# Altium PCB AltitudeDynamicsControlBoard.PcbDoc (part 2 of 3)
Units mm, origin at the board's own origin, x right, y up, seen from the top; angles counter-clockwise.
Board outline 100 x 100 mm, 4 copper layers (Top Layer, Layer 1, Layer 2, Bottom Layer), stack 1.542 mm thick; 278 components, 198 nets, 938 pads, 480 vias.
Unrouted connection lines stored in the file: 18.
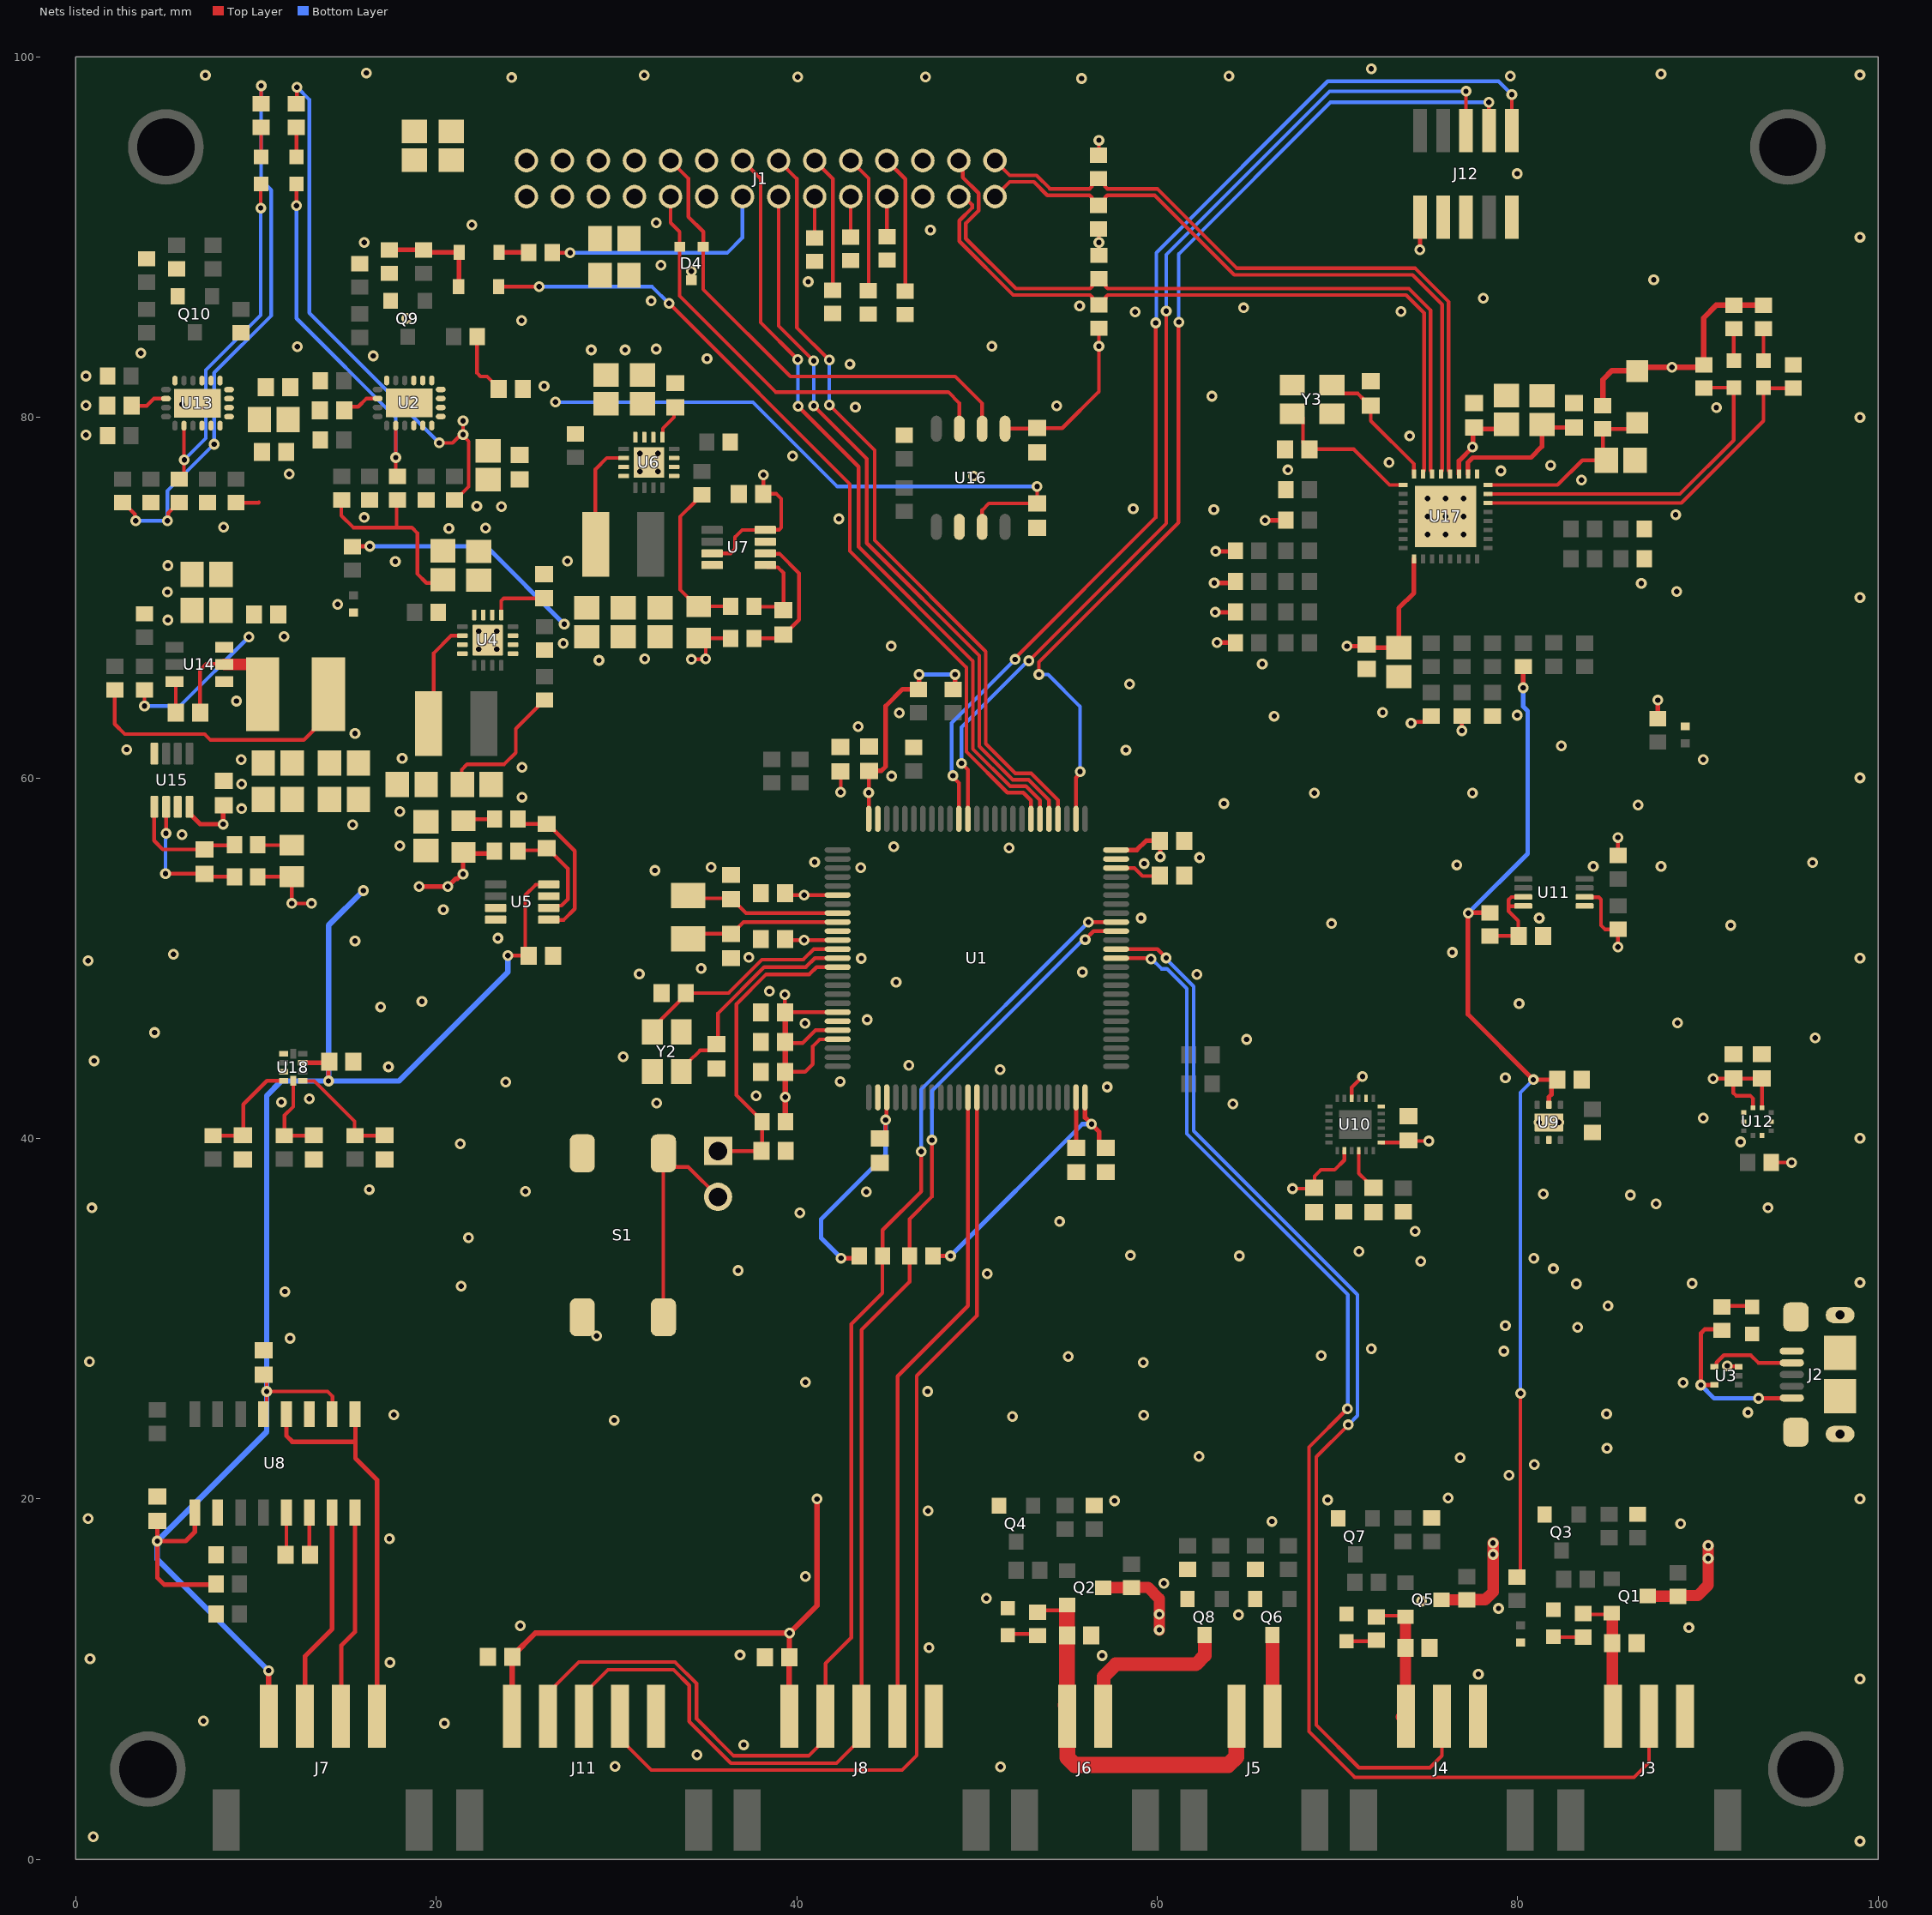
[diagram p4: the nets of this part, all layers, seen from the top]

## Part data (continued)
R39 R54: library part RC0603JR-10100KL, "RES SMD 100K OHM 5% 1/10W 0603", Device Package="0603 (1608 Metric)", Manufacturer=Yageo, Operating Temperature="-55°C ~ 155°C", Power (Watts)="0.1W, 1/10W", Supplier Device Package=0603, Supplier Part Number 1=YAG2294CT-ND, Temperature Coefficient=±100ppm/°C, Tolerance=±5%, ComponentLink1Description=Datasheet, ComponentLink1URL=https://www.yageo.com/upload/media/product/productsearch/datasheet/rchip/PYu-RC_Group_51_RoHS_L_10.pdf, ComponentLink2Description="DigiKey Link", ComponentLink2URL=http://digikey.com/product-detail/en/yageo/RC0603JR-10100KL/YAG2294CT-ND/5252408, Composition="Thick Film", Features="Moisture Resistant", Height - Seated (Max)="0.022\" (0.55mm)", LastUpdated="9/2/2020 1:10:22 AM", Lifecycle Status=Active, Minimum Order=1, Number of Terminations=2, Package / Case="0603 (1608 Metric)", Packaging=CutTape, PartId=6071, Part Number=RC0603JR-10100KL, Part Status=Active, Price=0.10, Resistance="100 kOhms", Series=RC, Size / Dimension="0.063\" L x 0.031\" W (1.60mm x 0.80mm)", Supplier 1=DigiKey
R40: library part RMCF0603FT180K, "RES 180K OHM 1% 1/10W 0603", Device Package="0603 (1608 Metric)", Manufacturer="Stackpole Electronics Inc", Operating Temperature="-55°C ~ 155°C", Power (Watts)="0.1W, 1/10W", Ratings=AEC-Q200, Supplier Device Package=0603, Supplier Part Number 1=RMCF0603FT180KCT-ND, Temperature Coefficient=±100ppm/°C, Tolerance=±1%, ComponentLink1Description=Datasheet, ComponentLink1URL=https://www.seielect.com/catalog/sei-rmcf_rmcp.pdf, ComponentLink2Description="DigiKey Link", ComponentLink2URL=http://digikey.com/product-detail/en/stackpole-electronics-inc/RMCF0603FT180K/RMCF0603FT180KCT-ND/5049744, Composition="Thick Film", Features="Automotive AEC-Q200", Height - Seated (Max)="0.022\" (0.55mm)", LastUpdated="9/2/2020 1:10:00 AM", Lifecycle Status=Active, Minimum Order=1, Number of Terminations=2, Package / Case="0603 (1608 Metric)", Packaging=CutTape, PartId=16499, Part Number=RMCF0603FT180K, Part Status=Active, Price=0.10, Resistance="180 kOhms", Series=RMCF, Size / Dimension="0.061\" L x 0.031\" W (1.55mm x 0.80mm)", Supplier 1=DigiKey
R41 R77: library part ERJ-PB3B7151V, "RES SMD 7.15K OHM 0.1% 1/5W 0603", Device Package="0603 (1608 Metric)", Manufacturer="Panasonic Electronic Components", Operating Temperature="-55°C ~ 155°C", Power (Watts)="0.2W, 1/5W", Ratings=AEC-Q200, Supplier Device Package=0603, Supplier Part Number 1=P20070CT-ND, Temperature Coefficient=±50ppm/°C, Tolerance=±0.1%, ComponentLink1Description=Datasheet, ComponentLink1URL=https://industrial.panasonic.com/cdbs/www-data/pdf/RDM0000/AOA0000C328.pdf, ComponentLink2Description="DigiKey Link", ComponentLink2URL=http://digikey.com/product-detail/en/panasonic-electronic-components/ERJ-PB3B7151V/P20070CT-ND/6214325, Composition="Thick Film", Features="Automotive AEC-Q200, Pulse Withstanding", Height - Seated (Max)="0.022\" (0.55mm)", LastUpdated="9/2/2020 1:10:22 AM", Lifecycle Status=Active, Minimum Order=1, Number of Terminations=2, Package / Case="0603 (1608 Metric)", Packaging=TapeAndReel, PartId=6380, Part Number=ERJ-PB3B7151V, Part Status=Active, Price=0.03, Resistance="7.15 kOhms", Series=ERJ, Size / Dimension="0.063\" L x 0.031\" W (1.60mm x 0.80mm)", Supplier 1=DigiKey
R42: library part RMCF0603FG47K5, "RES 47.5K OHM 1% 1/10W 0603", Device Package="0603 (1608 Metric)", Manufacturer="Stackpole Electronics Inc", Operating Temperature="-55°C ~ 155°C", Power (Watts)="0.1W, 1/10W", Ratings=AEC-Q200, Supplier Device Package=0603, Supplier Part Number 1=RMCF0603FG47K5CT-ND, Temperature Coefficient=±100ppm/°C, Tolerance=±1%, ComponentLink1Description=Datasheet, ComponentLink1URL=https://www.seielect.com/catalog/sei-packaging.pdf, ComponentLink2Description="DigiKey Link", ComponentLink2URL=http://digikey.com/product-detail/en/stackpole-electronics-inc/RMCF0603FG47K5/RMCF0603FG47K5CT-ND/4425046, Composition="Thick Film", Features="Automotive AEC-Q200", Height - Seated (Max)="0.022\" (0.55mm)", LastUpdated="9/2/2020 1:09:32 AM", Lifecycle Status=Active, Minimum Order=1, Number of Terminations=2, Package / Case="0603 (1608 Metric)", Packaging=CutTape, PartId=25458, Part Number=RMCF0603FG47K5, Part Status=Active, Price=0.10, Resistance="47.5 kOhms", Series=RMCF, Size / Dimension="0.061\" L x 0.031\" W (1.55mm x 0.80mm)", Supplier 1=DigiKey
R43: library part RMCF0603FG150K, "RES 150K OHM 1% 1/10W 0603", Device Package="0603 (1608 Metric)", Manufacturer="Stackpole Electronics Inc", Operating Temperature="-55°C ~ 155°C", Power (Watts)="0.1W, 1/10W", Ratings=AEC-Q200, Supplier Device Package=0603, Supplier Part Number 1=RMCF0603FG150KCT-ND, Temperature Coefficient=±100ppm/°C, Tolerance=±1%, ComponentLink1Description=Datasheet, ComponentLink1URL=https://www.seielect.com/catalog/sei-rmcf_rmcp.pdf, ComponentLink2Description="DigiKey Link", ComponentLink2URL=http://digikey.com/product-detail/en/stackpole-electronics-inc/RMCF0603FG150K/RMCF0603FG150KCT-ND/4425034, Composition="Thick Film", Features="Automotive AEC-Q200", Height - Seated (Max)="0.022\" (0.55mm)", LastUpdated="9/2/2020 1:10:05 AM", Lifecycle Status=Active, Minimum Order=1, Number of Terminations=2, Package / Case="0603 (1608 Metric)", Packaging=CutTape, PartId=13982, Part Number=RMCF0603FG150K, Part Status=Active, Price=0.10, Resistance="150 kOhms", Series=RMCF, Size / Dimension="0.061\" L x 0.031\" W (1.55mm x 0.80mm)", Supplier 1=DigiKey
R44: library part RMCF0603FT63K4, "RES 63.4K OHM 1% 1/10W 0603", Device Package="0603 (1608 Metric)", Manufacturer="Stackpole Electronics Inc", Operating Temperature="-55°C ~ 155°C", Power (Watts)="0.1W, 1/10W", Ratings=AEC-Q200, Supplier Device Package=0603, Supplier Part Number 1=RMCF0603FT63K4CT-ND, Temperature Coefficient=±100ppm/°C, Tolerance=±1%, ComponentLink1Description=Datasheet, ComponentLink1URL=https://www.seielect.com/catalog/sei-rmcf_rmcp.pdf, ComponentLink2Description="DigiKey Link", ComponentLink2URL=http://digikey.com/product-detail/en/stackpole-electronics-inc/RMCF0603FT63K4/RMCF0603FT63K4CT-ND/2418113, Composition="Thick Film", Features="Automotive AEC-Q200", Height - Seated (Max)="0.022\" (0.55mm)", LastUpdated="9/2/2020 1:10:16 AM", Lifecycle Status=Active, Minimum Order=1, Number of Terminations=2, Package / Case="0603 (1608 Metric)", Packaging=CutTape, PartId=8895, Part Number=RMCF0603FT63K4, Part Status=Active, Price=0.10, Resistance="63.4 kOhms", Series=RMCF, Size / Dimension="0.061\" L x 0.031\" W (1.55mm x 0.80mm)", Supplier 1=DigiKey
R48 R82: library part ERJ-PB3B3242V, "RES SMD 32.4K OHM 0.1% 1/5W 0603", Device Package="0603 (1608 Metric)", Manufacturer="Panasonic Electronic Components", Operating Temperature="-55°C ~ 155°C", Power (Watts)="0.2W, 1/5W", Ratings=AEC-Q200, Supplier Device Package=0603, Supplier Part Number 1=P20142CT-ND, Temperature Coefficient=±50ppm/°C, Tolerance=±0.1%, ComponentLink1Description=Datasheet, ComponentLink1URL=https://industrial.panasonic.com/cdbs/www-data/pdf/RDM0000/AOA0000C328.pdf, ComponentLink2Description="DigiKey Link", ComponentLink2URL=http://digikey.com/product-detail/en/panasonic-electronic-components/ERJ-PB3B3242V/P20142CT-ND/6214397, Composition="Thick Film", Features="Automotive AEC-Q200, Pulse Withstanding", Height - Seated (Max)="0.022\" (0.55mm)", LastUpdated="9/2/2020 1:10:06 AM", Lifecycle Status=Active, Minimum Order=1, Number of Terminations=2, Package / Case="0603 (1608 Metric)", Packaging=TapeAndReel, PartId=13586, Part Number=ERJ-PB3B3242V, Part Status=Active, Price=0.03, Resistance="32.4 kOhms", Series=ERJ, Size / Dimension="0.063\" L x 0.031\" W (1.60mm x 0.80mm)", Supplier 1=DigiKey
R57 R127: library part RMCF0603ZT0R00, "RES 0 OHM JUMPER 1/10W 0603", Device Package="0603 (1608 Metric)", Manufacturer="Stackpole Electronics Inc", Operating Temperature="-55°C ~ 155°C", Power (Watts)="0.1W, 1/10W", Ratings=AEC-Q200, Supplier Device Package=0603, Supplier Part Number 1=RMCF0603ZT0R00CT-ND, Tolerance=Jumper, ComponentLink1Description=Datasheet, ComponentLink1URL=https://www.seielect.com/catalog/sei-rmcf_rmcp.pdf, ComponentLink2Description="DigiKey Link", ComponentLink2URL=http://digikey.com/product-detail/en/stackpole-electronics-inc/RMCF0603ZT0R00/RMCF0603ZT0R00CT-ND/1943218, Composition="Thick Film", Features="Automotive AEC-Q200", Height - Seated (Max)="0.022\" (0.55mm)", LastUpdated="9/2/2020 1:09:45 AM", Lifecycle Status=Active, Minimum Order=1, Number of Terminations=2, Package / Case="0603 (1608 Metric)", Packaging=CutTape, PartId=22613, Part Number=RMCF0603ZT0R00, Part Status=Active, Price=0.10, Resistance="0 Ohms", Series=RMCF, Size / Dimension="0.061\" L x 0.031\" W (1.55mm x 0.80mm)", Supplier 1=DigiKey
R61: library part RMCF0603FT200K, "RES 200K OHM 1% 1/10W 0603", Device Package="0603 (1608 Metric)", Manufacturer="Stackpole Electronics Inc", Operating Temperature="-55°C ~ 155°C", Power (Watts)="0.1W, 1/10W", Ratings=AEC-Q200, Supplier Device Package=0603, Supplier Part Number 1=RMCF0603FT200KCT-ND, Temperature Coefficient=±100ppm/°C, Tolerance=±1%, ComponentLink1Description=Datasheet, ComponentLink1URL=https://www.seielect.com/catalog/sei-rmcf_rmcp.pdf, ComponentLink2Description="DigiKey Link", ComponentLink2URL=http://digikey.com/product-detail/en/stackpole-electronics-inc/RMCF0603FT200K/RMCF0603FT200KCT-ND/1943126, Composition="Thick Film", Features="Automotive AEC-Q200", Height - Seated (Max)="0.022\" (0.55mm)", LastUpdated="9/2/2020 1:10:13 AM", Lifecycle Status=Active, Minimum Order=1, Number of Terminations=2, Package / Case="0603 (1608 Metric)", Packaging=CutTape, PartId=10646, Part Number=RMCF0603FT200K, Part Status=Active, Price=0.10, Resistance="200 kOhms", Series=RMCF, Size / Dimension="0.061\" L x 0.031\" W (1.55mm x 0.80mm)", Supplier 1=DigiKey
R66 R67 R68 R90: library part RMCF0603FT10K0, "RES 10K OHM 1% 1/10W 0603", Device Package="0603 (1608 Metric)", Manufacturer="Stackpole Electronics Inc", Operating Temperature="-55°C ~ 155°C", Power (Watts)="0.1W, 1/10W", Ratings=AEC-Q200, Supplier Device Package=0603, Supplier Part Number 1=RMCF0603FT10K0CT-ND, Temperature Coefficient=±100ppm/°C, Tolerance=±1%, ComponentLink1Description=Datasheet, ComponentLink1URL=https://www.seielect.com/catalog/sei-rmcf_rmcp.pdf, ComponentLink2Description="DigiKey Link", ComponentLink2URL=http://digikey.com/product-detail/en/stackpole-electronics-inc/RMCF0603FT10K0/RMCF0603FT10K0CT-ND/1943057, Composition="Thick Film", Features="Automotive AEC-Q200", Height - Seated (Max)="0.022\" (0.55mm)", LastUpdated="9/2/2020 1:09:31 AM", Lifecycle Status=Active, Minimum Order=1, Number of Terminations=2, Package / Case="0603 (1608 Metric)", Packaging=CutTape, PartId=25663, Part Number=RMCF0603FT10K0, Part Status=Active, Price=0.10, Resistance="10 kOhms", Series=RMCF, Size / Dimension="0.061\" L x 0.031\" W (1.55mm x 0.80mm)", Supplier 1=DigiKey
R70 R71 R72: library part TMP6131DECR, "SENSOR PTC 10KOHM 1% X1SON", Device Package="0402 (1006 Metric)", Manufacturer="Texas Instruments", Operating Temperature="-40°C ~ 125°C (TA)", Resistance Tolerance=±1%, Supplier Device Package="2-X1SON (1x.60)", Supplier Part Number 1=296-TMP6131DECRCT-ND, ComponentLink1Description=Datasheet, ComponentLink1URL=http://www.ti.com/general/docs/suppproductinfo.tsp?distId=10&gotoUrl=http%3A%2F%2Fwww.ti.com%2Flit%2Fgpn%2Ftmp61, ComponentLink2Description="DigiKey Link", ComponentLink2URL=http://digikey.com/product-detail/en/texas-instruments/TMP6131DECR/296-TMP6131DECRCT-ND/10435285, LastUpdated="9/2/2020 1:30:57 AM", Lifecycle Status=Active, Minimum Order=1, Mounting Type="Surface Mount", Package / Case="0402 (1006 Metric)", Packaging=TapeAndReel, Part Number=TMP6131DECR, Part Status=Active, Price=0.07, Resistance @ 25°C="10 kOhms", Series=Commercial, Supplier 1=DigiKey
R73: library part RMCF0603FT392K, "RES 392K OHM 1% 1/10W 0603", Device Package="0603 (1608 Metric)", Manufacturer="Stackpole Electronics Inc", Operating Temperature="-55°C ~ 155°C", Power (Watts)="0.1W, 1/10W", Ratings=AEC-Q200, Supplier Device Package=0603, Supplier Part Number 1=RMCF0603FT392KCT-ND, Temperature Coefficient=±100ppm/°C, Tolerance=±1%, ComponentLink1Description=Datasheet, ComponentLink1URL=https://www.seielect.com/catalog/sei-rmcf_rmcp.pdf, ComponentLink2Description="DigiKey Link", ComponentLink2URL=http://digikey.com/product-detail/en/stackpole-electronics-inc/RMCF0603FT392K/RMCF0603FT392KCT-ND/1943135, Composition="Thick Film", Features="Automotive AEC-Q200", Height - Seated (Max)="0.022\" (0.55mm)", LastUpdated="9/2/2020 1:10:02 AM", Lifecycle Status=Active, Minimum Order=1, Number of Terminations=2, Package / Case="0603 (1608 Metric)", Packaging=CutTape, PartId=15680, Part Number=RMCF0603FT392K, Part Status=Active, Price=0.10, Resistance="392 kOhms", Series=RMCF, Size / Dimension="0.061\" L x 0.031\" W (1.55mm x 0.80mm)", Supplier 1=DigiKey
R76: library part RMCF0603FT475K, "RES 475K OHM 1% 1/10W 0603", Device Package="0603 (1608 Metric)", Manufacturer="Stackpole Electronics Inc", Operating Temperature="-55°C ~ 155°C", Power (Watts)="0.1W, 1/10W", Ratings=AEC-Q200, Supplier Device Package=0603, Supplier Part Number 1=RMCF0603FT475KCT-ND, Temperature Coefficient=±100ppm/°C, Tolerance=±1%, ComponentLink1Description=Datasheet, ComponentLink1URL=https://www.seielect.com/catalog/sei-rmcf_rmcp.pdf, ComponentLink2Description="DigiKey Link", ComponentLink2URL=http://digikey.com/product-detail/en/stackpole-electronics-inc/RMCF0603FT475K/RMCF0603FT475KCT-ND/1943137, Composition="Thick Film", Features="Automotive AEC-Q200", Height - Seated (Max)="0.022\" (0.55mm)", LastUpdated="9/2/2020 1:10:13 AM", Lifecycle Status=Active, Minimum Order=1, Number of Terminations=2, Package / Case="0603 (1608 Metric)", Packaging=CutTape, PartId=10682, Part Number=RMCF0603FT475K, Part Status=Active, Price=0.10, Resistance="475 kOhms", Series=RMCF, Size / Dimension="0.061\" L x 0.031\" W (1.55mm x 0.80mm)", Supplier 1=DigiKey
R78: library part RMCF0603FT45K3, "RES 45.3K OHM 1% 1/10W 0603", Device Package="0603 (1608 Metric)", Manufacturer="Stackpole Electronics Inc", Operating Temperature="-55°C ~ 155°C", Power (Watts)="0.1W, 1/10W", Ratings=AEC-Q200, Supplier Device Package=0603, Supplier Part Number 1=RMCF0603FT45K3CT-ND, Temperature Coefficient=±100ppm/°C, Tolerance=±1%, ComponentLink1Description=Datasheet, ComponentLink1URL=https://www.seielect.com/catalog/sei-rmcf_rmcp.pdf, ComponentLink2Description="DigiKey Link", ComponentLink2URL=http://digikey.com/product-detail/en/stackpole-electronics-inc/RMCF0603FT45K3/RMCF0603FT45K3CT-ND/4425109, Composition="Thick Film", Features="Automotive AEC-Q200", Height - Seated (Max)="0.022\" (0.55mm)", LastUpdated="9/2/2020 1:10:13 AM", Lifecycle Status=Active, Minimum Order=1, Number of Terminations=2, Package / Case="0603 (1608 Metric)", Packaging=CutTape, PartId=10832, Part Number=RMCF0603FT45K3, Part Status=Active, Price=0.10, Resistance="45.3 kOhms", Series=RMCF, Size / Dimension="0.061\" L x 0.031\" W (1.55mm x 0.80mm)", Supplier 1=DigiKey
R79: library part RMCF0603FT82K5, "RES 82.5K OHM 1% 1/10W 0603", Device Package="0603 (1608 Metric)", Manufacturer="Stackpole Electronics Inc", Operating Temperature="-55°C ~ 155°C", Power (Watts)="0.1W, 1/10W", Ratings=AEC-Q200, Supplier Device Package=0603, Supplier Part Number 1=RMCF0603FT82K5CT-ND, Temperature Coefficient=±100ppm/°C, Tolerance=±1%, ComponentLink1Description=Datasheet, ComponentLink1URL=https://www.seielect.com/catalog/sei-rmcf_rmcp.pdf, ComponentLink2Description="DigiKey Link", ComponentLink2URL=http://digikey.com/product-detail/en/stackpole-electronics-inc/RMCF0603FT82K5/RMCF0603FT82K5CT-ND/1943114, Composition="Thick Film", Features="Automotive AEC-Q200", Height - Seated (Max)="0.022\" (0.55mm)", LastUpdated="9/2/2020 1:10:21 AM", Lifecycle Status=Active, Minimum Order=1, Number of Terminations=2, Package / Case="0603 (1608 Metric)", Packaging=CutTape, PartId=6620, Part Number=RMCF0603FT82K5, Part Status=Active, Price=0.10, Resistance="82.5 kOhms", Series=RMCF, Size / Dimension="0.061\" L x 0.031\" W (1.55mm x 0.80mm)", Supplier 1=DigiKey
R80: library part RMCF0603FT57K6, "RES 57.6K OHM 1% 1/10W 0603", Device Package="0603 (1608 Metric)", Manufacturer="Stackpole Electronics Inc", Operating Temperature="-55°C ~ 155°C", Power (Watts)="0.1W, 1/10W", Ratings=AEC-Q200, Supplier Device Package=0603, Supplier Part Number 1=RMCF0603FT57K6CT-ND, Temperature Coefficient=±100ppm/°C, Tolerance=±1%, ComponentLink1Description=Datasheet, ComponentLink1URL=https://www.seielect.com/catalog/sei-packaging.pdf, ComponentLink2Description="DigiKey Link", ComponentLink2URL=http://digikey.com/product-detail/en/stackpole-electronics-inc/RMCF0603FT57K6/RMCF0603FT57K6CT-ND/4376682, Composition="Thick Film", Features="Automotive AEC-Q200", Height - Seated (Max)="0.022\" (0.55mm)", LastUpdated="9/2/2020 1:10:00 AM", Lifecycle Status=Active, Minimum Order=1, Number of Terminations=2, Package / Case="0603 (1608 Metric)", Packaging=CutTape, PartId=16337, Part Number=RMCF0603FT57K6, Part Status=Active, Price=0.10, Resistance="57.6 kOhms", Series=RMCF, Size / Dimension="0.061\" L x 0.031\" W (1.55mm x 0.80mm)", Supplier 1=DigiKey
R85: library part ERJ-6CWDR020V, "0805 CURRENT SENSING RES. 0.5%,", Device Package="0805 (2012 Metric)", Manufacturer="Panasonic Electronic Components", Operating Temperature="-55°C ~ 125°C", Power (Watts)="0.5W, 1/2W", Ratings=AEC-Q200, Supplier Device Package=0805, Supplier Part Number 1=P124408CT-ND, Temperature Coefficient=±75ppm/°C, Tolerance=±0.5%, ComponentLink1Description=Datasheet, ComponentLink1URL=https://industrial.panasonic.com/cdbs/www-data/pdf/RDN0000/AOA0000C313.pdf, ComponentLink2Description="DigiKey Link", ComponentLink2URL=http://digikey.com/product-detail/en/panasonic-electronic-components/ERJ-6CWDR020V/P124408CT-ND/10261713, Composition="Thick Film", Features="Automotive AEC-Q200, Current Sense", Height - Seated (Max)="0.030\" (0.75mm)", LastUpdated="9/2/2020 1:14:37 AM", Lifecycle Status=Active, Minimum Order=1, Number of Terminations=2, Package / Case="0805 (2012 Metric)", Packaging=TapeAndReel, PartId=47494, Part Number=ERJ-6CWDR020V, Part Status=Active, Price=0.14, Resistance="20 mOhms", Series=ERJ, Size / Dimension="0.081\" L x 0.051\" W (2.05mm x 1.30mm)", Supplier 1=DigiKey
R87: library part RMCF0603FT69K8, "RES 69.8K OHM 1% 1/10W 0603", Device Package="0603 (1608 Metric)", Manufacturer="Stackpole Electronics Inc", Operating Temperature="-55°C ~ 155°C", Power (Watts)="0.1W, 1/10W", Ratings=AEC-Q200, Supplier Device Package=0603, Supplier Part Number 1=RMCF0603FT69K8CT-ND, Temperature Coefficient=±100ppm/°C, Tolerance=±1%, ComponentLink1Description=Datasheet, ComponentLink1URL=https://www.seielect.com/catalog/sei-rmcf_rmcp.pdf, ComponentLink2Description="DigiKey Link", ComponentLink2URL=http://digikey.com/product-detail/en/stackpole-electronics-inc/RMCF0603FT69K8/RMCF0603FT69K8CT-ND/2418123, Composition="Thick Film", Features="Automotive AEC-Q200", Height - Seated (Max)="0.022\" (0.55mm)", LastUpdated="9/2/2020 1:10:00 AM", Lifecycle Status=Active, Minimum Order=1, Number of Terminations=2, Package / Case="0603 (1608 Metric)", Packaging=CutTape, PartId=16385, Part Number=RMCF0603FT69K8, Part Status=Active, Price=0.10, Resistance="69.8 kOhms", Series=RMCF, Size / Dimension="0.061\" L x 0.031\" W (1.55mm x 0.80mm)", Supplier 1=DigiKey
R91: library part RMCF0603FG100R, "RES 100 OHM 1% 1/10W 0603", Device Package="0603 (1608 Metric)", Manufacturer="Stackpole Electronics Inc", Operating Temperature="-55°C ~ 155°C", Power (Watts)="0.1W, 1/10W", Ratings=AEC-Q200, Supplier Device Package=0603, Supplier Part Number 1=RMCF0603FG100RCT-ND, Temperature Coefficient=±100ppm/°C, Tolerance=±1%, ComponentLink1Description=Datasheet, ComponentLink1URL=https://www.seielect.com/catalog/sei-rmcf_rmcp.pdf, ComponentLink2Description="DigiKey Link", ComponentLink2URL=http://digikey.com/product-detail/en/stackpole-electronics-inc/RMCF0603FG100R/RMCF0603FG100RCT-ND/4425033, Composition="Thick Film", Features="Automotive AEC-Q200", Height - Seated (Max)="0.022\" (0.55mm)", LastUpdated="9/2/2020 1:09:39 AM", Lifecycle Status=Active, Minimum Order=1, Number of Terminations=2, Package / Case="0603 (1608 Metric)", Packaging=CutTape, PartId=24036, Part Number=RMCF0603FG100R, Part Status=Active, Price=0.10, Resistance="100 Ohms", Series=RMCF, Size / Dimension="0.061\" L x 0.031\" W (1.55mm x 0.80mm)", Supplier 1=DigiKey
R96 R97: library part RMCF0603JT240R, "RES 240 OHM 5% 1/10W 0603", Device Package="0603 (1608 Metric)", Manufacturer="Stackpole Electronics Inc", Operating Temperature="-55°C ~ 155°C", Power (Watts)="0.1W, 1/10W", Ratings=AEC-Q200, Supplier Device Package=0603, Supplier Part Number 1=RMCF0603JT240RCT-ND, Temperature Coefficient=±200ppm/°C, Tolerance=±5%, ComponentLink1Description=Datasheet, ComponentLink1URL=https://www.seielect.com/catalog/sei-rmcf_rmcp.pdf, ComponentLink2Description="DigiKey Link", ComponentLink2URL=http://digikey.com/product-detail/en/stackpole-electronics-inc/RMCF0603JT240R/RMCF0603JT240RCT-ND/2418189, Composition="Thick Film", Features="Automotive AEC-Q200", Height - Seated (Max)="0.022\" (0.55mm)", LastUpdated="9/2/2020 1:10:22 AM", Lifecycle Status=Active, Minimum Order=1, Number of Terminations=2, Package / Case="0603 (1608 Metric)", Packaging=CutTape, PartId=5995, Part Number=RMCF0603JT240R, Part Status=Active, Price=0.10, Resistance="240 Ohms", Series=RMCF, Size / Dimension="0.061\" L x 0.031\" W (1.55mm x 0.80mm)", Supplier 1=DigiKey
R98 R99 R100 R101 R102 R103 R104 R105 R106 R107 R108 R111 R112 R114 R115: library part RMCF0603FT22R0, "RES 22 OHM 1% 1/10W 0603", Device Package="0603 (1608 Metric)", Manufacturer="Stackpole Electronics Inc", Operating Temperature="-55°C ~ 155°C", Power (Watts)="0.1W, 1/10W", Ratings=AEC-Q200, Supplier Device Package=0603, Supplier Part Number 1=RMCF0603FT22R0CT-ND, Temperature Coefficient=±100ppm/°C, Tolerance=±1%, ComponentLink1Description=Datasheet, ComponentLink1URL=https://www.seielect.com/catalog/sei-packaging.pdf, ComponentLink2Description="DigiKey Link", ComponentLink2URL=http://digikey.com/product-detail/en/stackpole-electronics-inc/RMCF0603FT22R0/RMCF0603FT22R0CT-ND/1942946, Composition="Thick Film", Features="Automotive AEC-Q200", Height - Seated (Max)="0.022\" (0.55mm)", LastUpdated="9/2/2020 1:10:13 AM", Lifecycle Status=Active, Minimum Order=1, Number of Terminations=2, Package / Case="0603 (1608 Metric)", Packaging=CutTape, PartId=10611, Part Number=RMCF0603FT22R0, Part Status=Active, Price=0.10, Resistance="22 Ohms", Series=RMCF, Size / Dimension="0.061\" L x 0.031\" W (1.55mm x 0.80mm)", Supplier 1=DigiKey
R109: library part RNCP0603FTD6K49, "RES 6.49K OHM 1% 1/8W 0603", Device Package="0603 (1608 Metric)", Manufacturer="Stackpole Electronics Inc", Operating Temperature="-55°C ~ 155°C", Power (Watts)="0.125W, 1/8W", Supplier Device Package=0603, Supplier Part Number 1=RNCP0603FTD6K49CT-ND, Temperature Coefficient=±100ppm/°C, Tolerance=±1%, ComponentLink1Description=Datasheet, ComponentLink1URL=https://www.seielect.com/catalog/sei-rncp.pdf, ComponentLink2Description="DigiKey Link", ComponentLink2URL=http://digikey.com/product-detail/en/stackpole-electronics-inc/RNCP0603FTD6K49/RNCP0603FTD6K49CT-ND/2240472, Composition="Thin Film", Features="Anti-Sulfur, Moisture Resistant", Height - Seated (Max)="0.020\" (0.50mm)", LastUpdated="9/2/2020 1:09:47 AM", Lifecycle Status=Active, Minimum Order=1, Number of Terminations=2, Package / Case="0603 (1608 Metric)", Packaging=TapeAndReel, PartId=22308, Part Number=RNCP0603FTD6K49, Part Status=Active, Price=0.01, Resistance="6.49 kOhms", Series=RNCP, Size / Dimension="0.059\" L x 0.031\" W (1.50mm x 0.80mm)", Supplier 1=DigiKey
R132 R133 R134: library part RMCF0603FT680R, "RES 680 OHM 1% 1/10W 0603", Device Package="0603 (1608 Metric)", Manufacturer="Stackpole Electronics Inc", Operating Temperature="-55°C ~ 155°C", Power (Watts)="0.1W, 1/10W", Ratings=AEC-Q200, Supplier Device Package=0603, Supplier Part Number 1=RMCF0603FT680RCT-ND, Temperature Coefficient=±100ppm/°C, Tolerance=±1%, ComponentLink1Description=Datasheet, ComponentLink1URL=https://www.seielect.com/catalog/sei-packaging.pdf, ComponentLink2Description="DigiKey Link", ComponentLink2URL=http://digikey.com/product-detail/en/stackpole-electronics-inc/RMCF0603FT680R/RMCF0603FT680RCT-ND/6053170, Composition="Thick Film", Features="Automotive AEC-Q200", Height - Seated (Max)="0.022\" (0.55mm)", LastUpdated="9/2/2020 1:10:13 AM", Lifecycle Status=Active, Minimum Order=1, Number of Terminations=2, Package / Case="0603 (1608 Metric)", Packaging=CutTape, PartId=10671, Part Number=RMCF0603FT680R, Part Status=Active, Price=0.10, Resistance="680 Ohms", Series=RMCF, Size / Dimension="0.061\" L x 0.031\" W (1.55mm x 0.80mm)", Supplier 1=DigiKey
S1: "SWITCH TACTILE SPST-NO 0.05A 24V", Contact Rating @ Voltage="0.05A @ 24VDC", Manufacturer="TE Connectivity ALCOSWITCH Switches", Operating Force=260gf, Operating Temperature="-40°C ~ 105°C", Supplier Part Number 1=450-2138-1-ND, Actuator Height off PCB, Vertical=7.00mm, Actuator Orientation="Top Actuated", Actuator Type=Standard, Circuit=SPST-NO, ComponentLink1Description=Datasheet, ComponentLink1URL=https://www.te.com/commerce/DocumentDelivery/DDEController?Action=srchrtrv&DocNm=1308111-1_SWITCHES_CORE_PROGRAM_CATALOG&DocType=CS&DocLang=English, ComponentLink2Description="DigiKey Link", ComponentLink2URL=http://digikey.com/product-detail/en/te-connectivity-alcoswitch-switches/FSM6JSMAASTR/450-2138-1-ND/5343818, Illumination=Non-Illuminated, LastUpdated="9/2/2020 1:27:08 AM", Lifecycle Status=Active, Minimum Order=1, Mounting Type="Surface Mount", Outline="6.00mm x 6.00mm", Packaging=TapeAndReel, Part Number=FSM6JSMAASTR, Part Status=Active, Price=0.37, Series=FSMJSMA, Supplier 1=DigiKey, Switch Function=Off-Mom, Termination Style="Gull Wing"
U1: Supplier Part Number 1=497-19657-1-ND, Supplier 1=Digi-Key
U2 U13: Supplier Part Number 1=296-40735-1-ND, Supplier 1=Digi-Key
U3: library part CMP-0326-00052-4, "TVS DIODE 5.5V SOT5", Breakdown Voltage=11V, Capacitance=1.5pF, Case/Package=SOT-553, Clamping Voltage=105.5V, Leakage Current=1nA, Max Operating Temperature=85°C, Max Supply Current=100nA, Max Supply Voltage=5.5V, Min Operating Temperature=-40°C, Min Supply Voltage=900mV, Package Quantity=1, Peak Pulse Power=90W, Power Line Protection=Yes, Depth=1.2mm, Direction=Unidirectional, Height=0.55mm, Interface=USB, Lead Free="Lead Free", Length=1.6mm, Max Supply Voltage (DC)=5.5V, Min Breakdown Voltage=11V, Min Supply Voltage (DC)=900mV, Nominal Supply Current=1nA, Number of Bidirectional Channels=3, Number of Channels=3, Number of Pins=5, Packaging="Tape and Reel", Radiation Hardening=No, REACH SVHC="No SVHC", Reverse Standoff Voltage=5.5V, RoHS Compliant=Yes, Termination=SMD/SMT, Weight=9.9E-05oz, Width=1.2mm
U4: library part CMP-0323-00129-3, "Buck Step Down Regulator with 3 to 17 V Input and 3.3 V Output, -40 to 85 degC, 16-Pin QFN (RGT), Green (RoHS & no Sb/Br)", Manufacturer="Texas Instruments", Rating=Catalog, Switch Current Limit(Typ)(A)=1.7, Code_JEDEC=MO-220, ComponentLink1Description=Datasheet, ComponentLink1URL=http://www.ti.com/general/docs/lit/getliterature.tsp?genericPartNumber=TPS62152&fileType=pdf, ComponentLink2Description="Package Specification", ComponentLink2URL=http://www.ti.com/litv/pdf/mpqf119g, ComponentLink3Description="URL Link1", ComponentLink3URL="Samples URL:http://www.ti.com/product/tps54611#samples", DatasheetVersion=SLVSAL5, Duty Cycle(Max)(%)=100, Eco-Plan="Green (RoHS & no Sb/Br)", Iout(Max)(A)=1, Iq(Typ)(mA)=0.017, Mounting Technology="Surface Mount", PackageDescription="16-Pin Plastic Quad Flat No-Lead, 3 x 3 mm Body, 0.5 mm Pitch, 1.7 x 1.7 mm Exposed Pad", PackageReference=RGT0016C, PackageVersion="revH, Oct-2011", PartNumber=TPS62152RGTT, Preset Vout(V)=3.3, Regulated Outputs(#)=1, SubFamily="Step-Down Regulator", Synchronous Rectification=TRUE, Topology=Buck, Vin(Max)(V)=17, Vin(Min)(V)=3, Vout(Max)(V)=3.3, Vout(Min)(V)=3.3
U5 U7 U15: library part CMP-0704-00041-2, "Zero-Drift, Bi-directional Current / Power Monitor, 3 to 5.5 V, -40 to 125 degC, 8-pin SOP (DCN8), Green (RoHS & no Sb/Br)", Manufacturer="Texas Instruments", Quiescent Current (+/-)(Typ)(mA)=0.7, Rating=Catalog, CMRR(Min)(dB)=100, Code_JEDEC=MO-178, Common Mode Range(Max)(V)=26, Common Mode Range(Min)(V)=0, ComponentLink1Description="Manufacturer URL", ComponentLink1URL=http://www.ti.com/, ComponentLink2Description=Datasheet, ComponentLink2URL=http://www.ti.com/general/docs/lit/getliterature.tsp?genericPartNumber=INA219&fileType=pdf, ComponentLink3Description="Package Specification", ComponentLink3URL=http://www.ti.com/lit/ml/mpds099c/mpds099c.pdf, DatasheetVersion=SBOS448F, Eco-Plan="Green (RoHS & no Sb/Br)", Gain(V/V)="1, 0.5, 0.25, 0.125", Input Offset (+/-)(Max)(uV)=100, Mounting Technology="Surface Mount", PackageDescription="8-Pin Plastic Small Outline, Body 1.6 x 2.9 mm, Pitch 0.65 mm", PackageReference=DCN0008A, PackageVersion="4202106/D, 11/2009", PartNumber=INA219AIDCNR, Small-Signal Bandwidth(Typ)(MHz)=0.011, SubFamily="Current Shunt Monitor", Vs(Max)(V)=5.5, Vs(Min)(V)=3
U6: library part CMP-0323-00124-3, "Buck Step Down Regulator with 3 to 17 V Input and 1.8 V Output, -40 to 85 degC, 16-Pin QFN (RGT), Green (RoHS & no Sb/Br)", Manufacturer="Texas Instruments", Rating=Catalog, Switch Current Limit(Typ)(A)=1.7, Code_JEDEC=MO-220, ComponentLink1Description=Datasheet, ComponentLink1URL=http://www.ti.com/general/docs/lit/getliterature.tsp?genericPartNumber=TPS62151&fileType=pdf, ComponentLink2Description="Package Specification", ComponentLink2URL=http://www.ti.com/litv/pdf/mpqf119g, ComponentLink3Description="URL Link1", ComponentLink3URL="Samples URL:http://www.ti.com/product/tps54611#samples", DatasheetVersion=SLVSAL5, Duty Cycle(Max)(%)=90, Eco-Plan="Green (RoHS & no Sb/Br)", Iout(Max)(A)=1, Iq(Typ)(mA)=0.017, Mounting Technology="Surface Mount", PackageDescription="16-Pin Plastic Quad Flat No-Lead, 3 x 3 mm Body, 0.5 mm Pitch, 1.7 x 1.7 mm Exposed Pad", PackageReference=RGT0016C, PackageVersion="revH, Oct-2011", PartNumber=TPS62151RGTT, Preset Vout(V)=1.8, Regulated Outputs(#)=1, SubFamily="Step-Down Regulator", Synchronous Rectification=TRUE, Topology=Buck, Vin(Max)(V)=17, Vin(Min)(V)=3, Vout(Max)(V)=1.8, Vout(Min)(V)=1.8
U8: Supplier Part Number 1=296-43578-1-ND, Supplier 1=Digi-Key
U9: library part CMP-04948-000009-1, "TEMPERATURE SENSOR", Ambient Temperature Range High=+150°C, Ambient Temperature Range Low=-55°C, Manufacturer="Texas Instruments", Max Supply Voltage=5.5V, Min Supply Voltage=1.8V, Operating Supply Current=3.5-16uA, Package=DRV0006A, Temperature="-55°C to +150°C", Automotive=No, Category=IC, ComponentLink2Description=Datasheet, ComponentLink2URL=http://www.ti.com/lit/ds/symlink/tmp117.pdf, Device Class L1=Sensors, Device Class L2="Temperature and Humidity Sensors", Device Class L3=unset, Digikey Description="TEMPERATURE SENSOR", Height=0.8mm, Interface=I2C,2-Wire,SMBus, Ipc Land Pattern Name=DFN200X200X80-6, Lead Free=Yes, Manufacturer Part Number=TMP117AIDRVR, Max Junction Temp=+150°C, Octopart=https://octopart.com/tmp117aidrvr-texas+instruments-95511044, Resolution=16bits, RoHS=TRUE, Standoff Height=0mm, Temperature Range High=+150°C, Temperature Range Low=-55°C
U10: Supplier Part Number 1=1428-1123-1-ND, Supplier 1=Digi-Key
U11: library part CMP-0314-00424-2, "Automotive Catalog Dual Bidirectional I2C Bus and SMBus Voltage-Level Translator, 0 to 5.5 V,-40 to 85 degC,8-pin US8 (DCU), Green (RoHS & no Sb/Br)", 5V Tolerant I/O=Yes, Manufacturer="Texas Instruments", Max Frequency(kHz)=400, On-Chip Power-on-Reset=No, Rating=Automotive, Code_JEDEC=MO-187-CA, ComponentLink1Description=Datasheet, ComponentLink1URL=http://www.ti.com/general/docs/lit/getliterature.tsp?genericPartNumber=PCA9306-Q1&fileType=pdf, ComponentLink2Description="Package Specification", ComponentLink2URL=http://www.ti.com/litv/pdf/mpds050d, DatasheetVersion=SCPS178, Eco-Plan="Green (RoHS & no Sb/Br)", Enable Pin=Yes, fSCLK(Max)(MHz)=400, Function="Voltage Translator", Mounting Technology="Surface Mount", No. of Outputs=2, Open Drain I/O Type=Yes, PackageDescription="8-Pin Thin Shrink Small Outline Package 0.5 mm Pitch", PackageReference=DCU0008A, PackageVersion="revF, Jul-2005", PartNumber=PCA9306IDCURQ1, SubFamily="I2C Special Function", tpd max(ns)=1.4, Vcc range(V)="0 to 5.5"
U12: Supplier Part Number 1=828-1079-1-ND, Supplier 1=Digi-Key
U14: Supplier Part Number 1=296-49006-1-ND, Supplier 1=Digi-Key
U16: Supplier Part Number 1=296-44228-1-ND, Supplier 1=Digi-Key
U17: library part CMP-06281-000005-1, "IC TRANSCEIVER FULL 1/1 32QFN", Ambient Temperature Range High=+85°C, Ambient Temperature Range Low=-40°C, Manufacturer=Microchip, Max Junction Temp=+125°C, Max Supply Voltage=3.465V, Min Supply Voltage=1.71V, Package=QFN55-32LD-PL-5, Temperature="-40°C to +85°C", Automotive=No, Category=IC, ComponentLink2Description=Datasheet, ComponentLink2URL=http://ww1.microchip.com/downloads/en/DeviceDoc/00002202C.pdf, Data Rate=100Mbits/s, Device Class L1="Integrated Circuits (ICs)", Device Class L2="Interface ICs", Device Class L3="Ethernet Interface ICs", Digikey Description="IC TRANSCEIVER FULL 1/1 32QFN", Height=1mm, Interface=Ethernet,Other, Lead Free=Yes, Manufacturer Part Number=KSZ8081MNXIA-TR, Mouser Description="Ethernet ICs 10/100 PHY,  0.11u, I-Temp", Number of Channels=1, Octopart=https://octopart.com/ksz8081mnxia-tr-microchip-66799958, RoHS=TRUE, Simplex Duplex="Full Duplex", Standoff Height=0mm, Temperature Range High=+85°C, Temperature Range Low=-40°C
U18: Supplier Part Number 1=296-48346-1-ND, Supplier 1=Digi-Key
Y1: library part ABS07-166-32.768KHZ-T, "IOT 32.786KHZ XTAL", ESR (Equivalent Series Resistance)="70 kOhms", Frequency Tolerance=±10ppm, Load Capacitance=7pF, Manufacturer="Abracon LLC", Operating Mode=Fundamental, Operating Temperature="-40°C ~ 85°C", Package / Case="2-SMD, No Lead", Supplier Part Number 1=535-14514-1-ND, ComponentLink1Description=Datasheet, ComponentLink1URL=https://abracon.com/datasheets/ABS07-166-32.768kHz-T.pdf, ComponentLink2Description="DigiKey Link", ComponentLink2URL=http://digikey.com/product-detail/en/abracon-llc/ABS07-166-32.768KHZ-T/535-14514-1-ND/8827205, Frequency=32.768kHz, Height - Seated (Max)="0.035\" (0.90mm)", LastUpdated="9/2/2020 1:21:47 AM", Lifecycle Status=Active, Minimum Order=1, Mounting Type="Surface Mount", Packaging=TapeAndReel, PartId=384, Part Number=ABS07-166-32.768KHZ-T, Part Status=Active, Price=0.35, Series=ABS07, Size / Dimension="0.126\" L x 0.059\" W (3.20mm x 1.50mm)", Supplier 1=DigiKey, Type="kHz Crystal (Tuning Fork)"
Y2 Y3: library part "TSX-3225 25.0000MF20P-C0", "CRYSTAL 25.0000MHZ 18PF SMD", ESR (Equivalent Series Resistance)="40 Ohms", Frequency Stability=±20ppm, Frequency Tolerance=±10ppm, Load Capacitance=18pF, Manufacturer=EPSON, Operating Mode=Fundamental, Operating Temperature="-20°C ~ 85°C", Package / Case="4-SMD, No Lead", Supplier Part Number 1=SER4212CT-ND, ComponentLink1Description=Datasheet, ComponentLink1URL=https://support.epson.biz/td/api/doc_check.php?dl=brief_TSX-3225&lang=en, ComponentLink2Description="DigiKey Link", ComponentLink2URL=http://digikey.com/product-detail/en/epson/TSX-3225-25.0000MF20P-C0/SER4212CT-ND/7430967, Frequency=25MHz, Height - Seated (Max)="0.024\" (0.60mm)", LastUpdated="9/2/2020 1:21:54 AM", Lifecycle Status=Active, Minimum Order=1, Mounting Type="Surface Mount", Packaging=TapeAndReel, PartId=447, Part Number="TSX-3225 25.0000MF20P-C0", Part Status=Active, Price=0.18, Series=TSX-3225, Size / Dimension="0.126\" L x 0.098\" W (3.20mm x 2.50mm)", Supplier 1=DigiKey, Type="MHz Crystal"

## Free pads (board coordinates)
  round 4.2 hole 3.2: 11(4,5) 11(5,95) 11(95,95) 11(96,5)

## Via types
v1: diameter 0.6, hole 0.3, Top Layer to Bottom Layer, 480 vias

## Nets (pads, with @x,y where several pads share a name; then routed paths per layer and width w, separated by ;. In a path a pad name is that pad's centre, name@x,y a point inside that pad or via, vN(x,y) a via of type N, cw(c..) or ccw(c..) an arc to the next point about the centre after c; other vN are vias at no path point)
6V: Q1.3 Q5.3 R1.2 R16.2 R85.2 R89.2 | length 16.2
  Top Layer w0.203: R89.2@9.906,54.61 9.994,54.522 R85.2@11.989,54.522 v1(11.989,53.035) v1(13.081,53.035)
  Top Layer w0.635: Q5.3@75.778,14.402 75.785,14.394 R16.2@77.158,14.394 ; R16.2@77.191,14.387 77.206,14.402 78.207,14.402 78.638,14.834 v1(78.638,17.551) ; Q1.3@87.233,14.605 87.24,14.598 88.893,14.598 R1.2@88.9,14.605 ; R1.2@88.9,14.59 88.94,14.63 89.992,14.63 90.576,15.215 v1(90.576,16.688) v1(90.576,17.399)
  other v1: 78.638,16.916
+1.8: C9.2 C16.2 C55.2 C56.2 C58.2 C59.2 J8.5 J11.5 R50.2 R53.2 R62.2 R63.2 R69.1 U10.8 U10.13 U10.22 U11.2 U12.1 U12.10 | length 57.4
  Top Layer w0.203: v1(34.163,66.573) 34.176,66.586 34.938,66.586 v1(34.95,66.599) 34.95,67.375 R50.2@34.583,67.742 ; R50.2@34.555,67.742 R50.2@34.569,67.756 R50.2@34.583,67.742 ; R53.2@36.332,67.742 R50.2@34.583,67.742 ; v1(67.513,37.211) 68.758,37.211 68.783,37.236 68.732,37.287 68.732,37.897 69.088,38.252 69.85,38.252 70.393,38.795 U10.8@70.393,39.317 ; U10.22@70.793,42.217 70.795,42.219 70.795,42.829 v1(71.399,43.434) ; U10.13@72.443,39.767 73.955,39.767 C55.2@73.99,39.802 ; C55.2@73.939,39.889 73.976,39.853 v1(75.082,39.853) ; U11.2@83.717,53.395 83.736,53.375 84.514,53.375 84.633,53.256 84.633,51.816 84.861,51.587 85.522,51.587 R62.2@85.573,51.537 ; v1(85.573,50.622) R62.2@85.573,51.537 ; R62.2@85.573,51.598 R62.2@85.573,51.537 ; R63.2@85.573,55.692 v1(85.573,56.693) ; v1(90.856,43.307) C58.2@91.948,43.307 ; U12.10@93.069,41.69 93.069,42.212 92.913,42.367 92.126,42.367 91.973,42.52 91.973,43.282 C58.2@91.948,43.307 ; C59.2@93.548,43.318 C58.2@91.973,43.318 91.963,43.307 C58.2@91.948,43.307 ; U12.1@93.569,41.69 93.569,43.124 C59.2@93.624,43.18 ; R69.1@94.071,38.659 v1(95.199,38.659)
  Top Layer w0.254: J11.5@24.206,8.153 J11.5@24.221,8.168 ; J8.5@39.588,8.317 J8.5@39.649,8.255
  Top Layer w0.305: J11.5@24.221,8.168 C16.2@24.221,11.227 24.221,11.277 25.492,12.548 v1(39.599,12.548) ; J8.5@39.588,8.317 C9.2@39.588,11.201 ; C9.2@39.649,11.125 39.593,11.181 39.593,12.542 v1(39.599,12.548) ; v1(41.123,19.99) 41.123,14.072 v1(39.599,12.548)
+3.3: C15.2 C17.2 C18.2 C19.2 C20.2 C21.2 C22.2 C23.2 C24.2 C25.2 C26.2 C41.2 C49.2 C51.2 C52.2 C53.2 C73.2 C74.2 C78.2 C79.2 C80.2 C81.2 D7.2 J7.4 J12.1 R24.2 R25.2 R26.2 R27.2 R29.2 R30.2 R32.2 R35.2 R56.2 R61.2 R66.2 R67.2 R68.2 R93.2 R94.2 R95.2 R96.2 R97.2 R113.2 R120.1 R128.1 R129.2 R130.2 U1.6 U1.11 U1.19 U1.21 U1.22 U1.28 U1.50 U1.75 U1.100 U5.4 U7.4 U7.7 U8.1 U8.10 U8.13 U9.5 U15.4 U16.5 U17.3 U17.17 U18.8 | length 295
  Top Layer w0.203: U8.13@10.414,24.696 10.592,24.874 v1(10.592,25.959) ; C51.2@10.439,26.822 10.414,26.797 10.592,26.619 v1(10.592,25.959) ; U8.10@14.224,24.638 14.249,24.663 14.249,25.679 13.97,25.959 v1(10.592,25.959) ; v1(23.978,50.14) C41.2@25.131,50.14 ; C41.2@25.146,50.165 24.943,50.368 24.943,53.492 25.527,54.077 25.855,54.077 25.865,54.086 U5.4@26.24,54.086 ; U7.7@35.535,72.466 35.545,72.456 36.337,72.456 36.576,72.695 36.576,73.355 36.977,73.756 U7.4@38.256,73.756 38.262,73.762 39.022,73.762 39.141,73.881 39.141,75.489 38.862,75.768 C49.2@38.151,75.768 ; C49.2@37.897,75.768 C49.2@38.151,75.768 ; C49.2@38.14,75.743 38.151,75.754 C49.2@38.151,75.768 ; v1(38.151,76.81) C49.2@38.151,75.768 ; C17.2@39.268,51.181 39.449,51 v1@40.411,51 ; v1(39.345,47.981) 39.345,47.005 C18.2@39.359,46.99 ; C26.2@39.395,45.339 39.446,45.288 40.335,45.288 41.047,46 U1.21@42.275,46 ; C18.2@39.421,46.99 39.431,47 U1.19@42.275,47 ; C25.2@39.446,43.713 39.472,43.688 40.462,43.688 40.894,44.12 40.894,45.11 41.275,45.491 42.266,45.491 U1.22@42.275,45.5 ; C24.2@39.522,53.391 39.632,53.5 v1@40.411,53.5 ; v1(40.411,51.003) v1@40.411,51 ; v1(40.411,53.492) v1@40.411,53.5 ; U1.11@42.275,51 v1@40.411,51 ; U1.6@42.275,53.5 v1@40.411,53.5 ; C23.2@42.418,60.361 42.443,60.336 v1(42.443,59.207) ; v1(43.993,59.182) v1@44,59.182 ; U1.100@44,57.725 v1@44,59.182 ; C22.2@44.018,60.223 44,60.205 v1@44,59.182 ; C19.2@44.806,40.234 44.824,40.234 44.933,40.343 v1(44.933,41.021) 44.981,41.07 44.981,42.256 U1.28@45,42.275 ; U16.5@51.562,79.375 53.264,79.375 C74.2@53.289,79.4 ; C74.2@53.238,79.4 C74.2@53.289,79.4 ; R26.2@56.744,90.46 56.769,90.434 v1(56.769,89.713) R25.2@56.769,89.052 ; R27.2@56.744,94.554 56.769,94.579 v1(56.769,95.377) ; R24.2@56.769,84.948 v1(56.769,83.947) 56.769,81.432 54.737,79.4 C74.2@53.289,79.4 ; R67.2@79.959,15.661 80.162,15.865 v1(80.162,25.857)
  Top Layer w0.254: C52.2@4.521,18.745 v1(4.521,17.653) ; U15.4@6.309,58.393 6.309,58.018 6.897,57.429 v1(8.179,57.429) 8.179,58.42 C73.2@8.204,58.445 ; U8.1@6.604,19.246 6.604,18.161 6.096,17.653 v1(4.521,17.653) ; R56.2@7.772,15.24 4.902,15.24 4.521,15.621 v1(4.521,17.653) ; J7.4@10.693,7.94 J7.4@10.7,7.933 ; U18.8@12.59,44.192 C15.2@14.021,44.192 ; v1(14.021,43.18) C15.2@14.021,44.192 ; C15.2@14.057,44.247 14.046,44.258 14.021,44.232 C15.2@14.021,44.192 ; R66.2@15.342,72.826 15.362,72.847 v1(16.307,72.847) ; v1(19.05,53.975) v1(20.65,53.975) 21.081,54.406 21.179,54.406 21.433,54.661 v1(21.488,54.661) R32.2@21.488,55.804 ; R32.2@21.514,55.869 21.488,55.843 R32.2@21.488,55.804 ; R35.2@23.251,55.804 R32.2@21.488,55.804 ; v1(42.467,33.352) 43.345,33.352 R130.2@43.47,33.477 ; C22.2@44.018,60.387 44.033,60.401 44.704,60.401 44.933,60.63 44.933,63.983 45.872,64.922 R30.2@46.685,64.922 ; C19.2@44.588,39.98 C19.2@44.602,39.994 ; R30.2@46.711,64.922 46.787,64.999 v1(46.787,65.735) ; R129.2@47.564,33.477 v1(48.539,33.477) ; R29.2@48.692,64.912 48.789,65.009 v1(48.789,65.735) ; U1.50@56,42.275 56,41.155 v1(56.363,40.792) 56.777,40.378 56.777,39.798 57.027,39.548 C20.2@57.099,39.548 ; U1.75@57.725,56 58.87,56 59.385,56.515 59.817,56.515 C21.2@60.122,56.21 ; C21.2@60.158,56.515 60.122,56.479 C21.2@60.122,56.21 ; v1(60.173,55.626) 60.173,56.159 C21.2@60.122,56.21 ; C21.2@60.173,56.464 C21.2@60.173,56.845 ; v1(63.246,72.568) 64.318,72.568 R120.1@64.35,72.6 ; v1(65.989,74.295) 67.145,74.295 R94.2@67.15,74.3 ; v1(70.536,67.31) 71.537,67.31 C81.2@71.628,67.401 ; C81.2@71.704,67.462 71.946,67.221 C80.2@73.416,67.221 ; C80.2@73.406,67.259 73.406,69.418 74.25,70.262 U17.17@74.25,72.15 ; v1(74.574,89.306) 74.587,89.319 74.587,91.098 J12.1@74.6,91.11 ; U17.3@76.75,76.85 76.75,77.588 v1@77.521,78.359 ; v1(77.267,52.502) v1@77.241,52.527 ; v1(77.495,78.359) v1@77.521,78.359 ; C79.2@77.495,79.553 77.521,79.527 v1@77.521,78.359 ; C79.2@77.673,79.35 79.108,79.35 C78.2@79.375,79.616 ; R61.2@78.562,52.553 78.537,52.527 v1@77.241,52.527 ; v1(80.315,64.999) R95.2@80.316,66.177 ; U9.5@81.712,41.961 81.737,41.986 81.737,42.291 81.882,42.436 81.882,42.933 C53.2@82.205,43.256 v1(80.874,43.256) 77.241,46.888 v1@77.241,52.527 ; R68.2@87.782,63.286 v1(87.782,64.313)
  Top Layer w0.305: J7.4@10.693,7.94 v1(10.693,10.465) ; R128.1@39.345,41.046 39.372,41.074 v1@39.372,42.289 ; C25.2@39.345,43.764 39.359,43.779 C26.2@39.359,45.339 C18.2@39.359,46.99 ; C25.2@39.359,43.688 39.372,43.675 v1@39.372,42.289 ; v1(39.37,42.291) v1@39.372,42.289 ; R113.2@84.734,80.66 84.734,82.093 85.242,82.601 D7.2@86.436,82.601 ; D7.2@86.843,82.779 v1(88.57,82.779) 90.206,82.779 R93.2@90.348,82.921 ; R93.2@90.322,82.956 90.322,85.522 91.023,86.223 R97.2@91.999,86.223 ; R97.2@92.065,86.223 R96.2@93.65,86.223